# Altium PCB PCB1.PcbDoc (part 3 of 4)
Units mm, origin at the board's own origin, x right, y up, seen from the top; angles counter-clockwise.
Board outline 56.01 x 67.94 mm, 2 copper layers (Top Layer, Bottom Layer); 131 components, 109 nets, 548 pads, 93 vias.
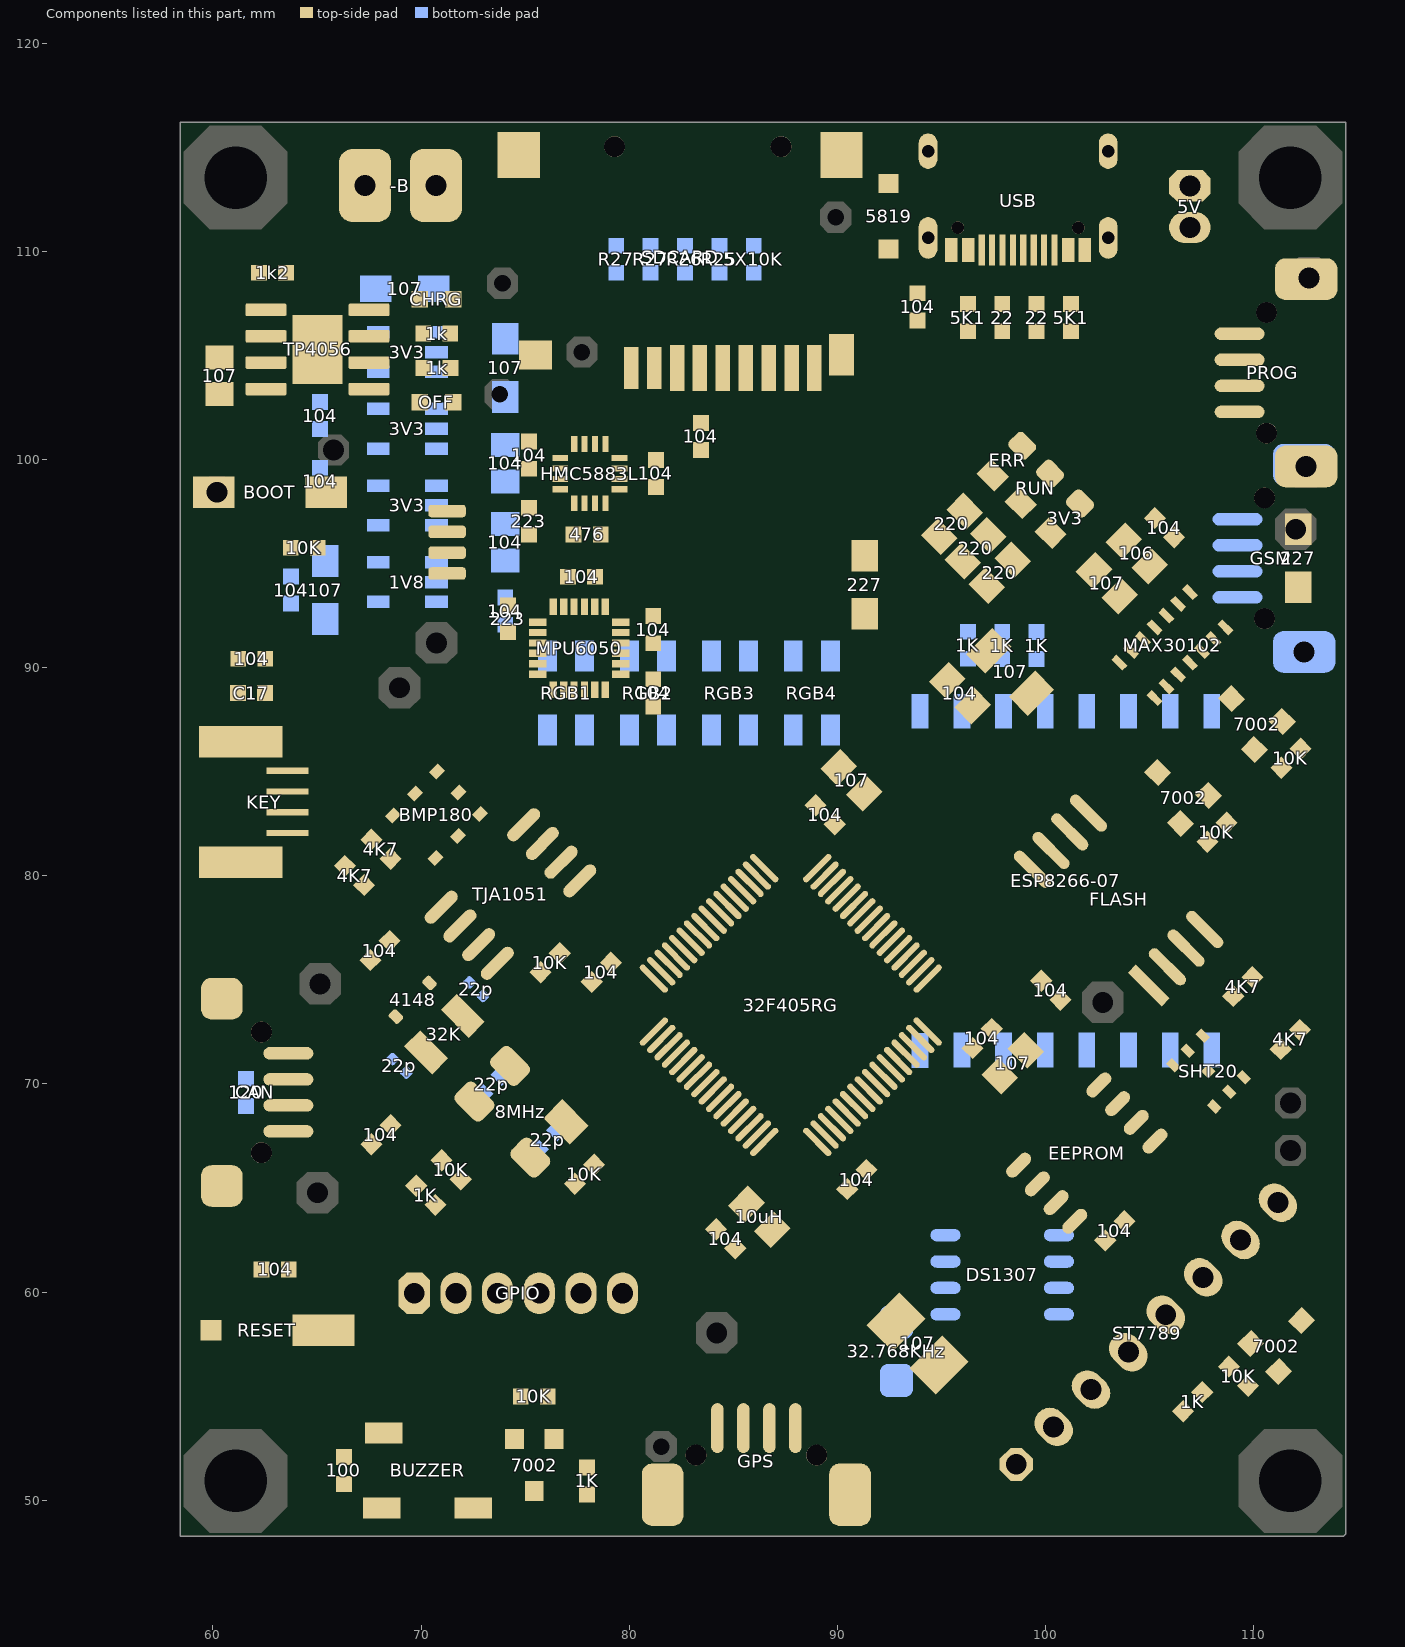
[diagram p3: the components of this part, seen from the top]

## Other copper
Top Layer:
  rectangle net VCC: 61.214,99.568 61.833,100.007
  rectangle net TXD1: 96.52,85.344 97.79,86.487
  rectangle net VCC: 110.617,74.422 111.125,74.803
  rectangle net GND: 60.325,74.803 61.595,77.724
  rectangle net VCC: 62.23,88.011 64.643,91.821
  rectangle net VCC: 61.341,91.694 63.373,92.964
  rectangle net VCC: 62.357,88.011 63.317,88.519
  rectangle net VCC: 62.611,88.011 63.317,88.646
  rectangle net GND: 60.579,86.868 61.214,90.424
  rectangle net GND: 59.436,76.835 64.516,81.28
  rectangle net GND: 61.341,79.883 64.516,82.169
  rectangle net GND: 59.436,81.28 61.468,87.122
  rectangle net VCC: 62.23,88.011 62.611,89.281
  rectangle net VCC: 62.23,90.805 62.738,91.567
  rectangle net VCC: 61.341,91.44 63.373,91.948
  rectangle net VCC: 62.611,88.011 64.643,92.964
  rectangle net GND: 59.436,86.36 60.96,93.599
  rectangle net GND: 59.436,93.472 64.135,96.52
  rectangle net +5: 69.596,107.95 70.231,110.49
  rectangle net +5: 70.104,108.585 72.517,109.347
  rectangle net +5: 69.723,109.22 72.517,110.49
  rectangle net SWCLK: 91.567,99.568 92.329,100.33
  rectangle net SWCLK: 93.472,99.822 94.234,100.457
  rectangle net CAN_H: 65.913,68.453 66.929,69.469
  rectangle net CAN_L: 64.643,69.723 65.786,70.739
  rectangle net SCL1: 68.58,84.836 69.596,85.852
  rectangle net BATT+: 58.928,110.236 60.96,110.49
  rectangle net BATT+: 58.674,109.728 60.325,110.49
  rectangle net BATT+: 59.436,109.347 59.944,110.49
  rectangle net BATT+: 58.928,109.093 59.563,110.49
  rectangle net BATT+: 58.42,101.092 59.182,110.49
  rectangle net GND: 80.264,113.919 80.772,115.951
  rectangle net GND: 78.232,113.03 80.962,114.046
  rectangle net GND: 86.233,112.903 88.646,114.046
  rectangle net GND: 80.645,112.395 86.36,115.951
  rectangle net GND: 94.996,109.601 95.504,110.617
  rectangle net GND: 93.726,109.601 94.996,111.76
  rectangle net BATT+: 67.31,88.773 69.088,103.632
  rectangle net VCC: 61.341,91.948 62.611,92.964
  rectangle net VCC: 63.373,89.281 64.643,91.44
  rectangle net BOOT: 65.532,88.011 66.929,89.281
  rectangle net VCC: 63.373,88.011 64.643,89.281
  rectangle net BOOT: 65.166,95.631 66.421,97.917
  rectangle net GND: 59.436,96.139 64.135,96.52
  rectangle net GND: 59.436,94.361 60.96,95.377
  rectangle net GND: 59.436,95.377 63.373,96.139
  rectangle net SDA1: 65.278,80.47 66.342,81.661
  rectangle net BATT+: 63.246,71.247 66.167,75.819
  rectangle net LCD_BL: 105.156,52.832 106.553,54.102
  rectangle net SCL2: 106.426,66.802 108.521,68.199
  rectangle net LCD_DC: 110.744,65.913 112.014,67.056
  rectangle net LCD_DC: 111.633,65.913 112.776,67.691
  rectangle net LCD_CSN: 110.871,68.326 112.649,69.977
  rectangle net GND: 113.411,56.388 114.427,71.12
  rectangle net GND: 110.998,55.372 111.506,55.753
  rectangle net GND: 109.474,53.975 109.982,54.356
  rectangle net GND: 109.474,53.975 110.51,54.737
  rectangle net GND: 110.236,53.975 111.76,55.499
  rectangle net GND: 111.316,53.975 114.427,56.642
  rectangle net SDA2: 108.966,87.757 110.363,88.773
  rectangle net GND: 89.916,85.344 90.932,90.805
  rectangle net BATT+: 108.966,93.345 110.49,95.885
  rectangle net SDIO_D2: 78.867,108.204 80.01,109.347
  rectangle net SDIO_D1: 87.249,108.331 88.265,109.22
  rectangle net TXD1: 96.52,86.233 97.409,86.487
  rectangle net TXD1: 97.409,85.344 97.79,86.487
  rectangle net TXD1: 96.612,85.344 97.409,85.598
  rectangle net RXD1: 95.25,83.82 96.266,85.598
  rectangle net TXD1: 96.612,85.598 97.409,86.487
  rectangle net RXD6_GSM: 99.314,85.344 101.6,86.36
  rectangle net TXD6_GSM: 102.235,85.09 103.505,86.106
  rectangle net SCL2: 104.267,82.169 105.41,83.185
  rectangle net 1V8: 111.633,84.709 114.427,85.217
  rectangle net VCC: 109.22,78.105 109.855,78.74
  rectangle net VCC: 105.791,78.613 109.855,80.01
  rectangle net VCC: 112.22,72.596 113.157,73.152
  rectangle net VCC: 110.871,73.914 111.506,74.93
  rectangle net VCC: 110.871,73.914 111.76,74.93
  rectangle net VCC: 111.506,73.406 112.268,74.803
  rectangle net VCC: 112.014,72.771 112.903,74.676
  rectangle net VCC: 110.49,74.579 112.903,75.057
  rectangle net VCC: 109.855,74.93 112.649,78.105
  rectangle net VCC: 112.395,72.517 114.427,78.105
  rectangle net VCC: 104.902,78.368 106.045,80.01
  rectangle net 1V8: 105.791,80.645 110.617,81.534
  rectangle net 1V8: 110.49,78.74 114.427,85.09
  rectangle net VCC: 84.455,55.245 85.217,57.15
  rectangle net VCC: 83.058,53.34 83.947,57.277
  rectangle net VCC: 83.82,53.467 84.582,57.277
  rectangle net VCC: 83.058,57.023 85.217,59.055
  rectangle net GND: 74.168,53.34 74.93,56.515
  rectangle net GND: 74.041,53.213 74.549,57.785
  rectangle net GND: 74.295,57.15 82.423,57.785
  rectangle net GND: 69.85,50.8 73.025,55.118
  rectangle net GND: 70.104,54.737 73.025,57.785
  rectangle net RESET: 64.008,59.182 65.532,61.468
  rectangle net RESET: 64.389,58.674 66.802,60.706
  rectangle net RESET: 63.246,57.404 64.135,61.468
  rectangle net BATT+: 69.342,66.294 70.512,67.31
  rectangle net VCC: 67.691,72.009 68.834,73.152
  rectangle net GND: 60.706,67.721 61.468,73.533
  rectangle net GND: 60.863,65.278 61.468,67.721
  rectangle net GND: 60.427,61.468 62.738,65.405
  rectangle net GND: 60.833,60.706 62.738,61.722
  rectangle net RESET: 64.389,58.928 66.802,60.706
  rectangle net RESET: 63.373,57.404 64.389,60.706
  rectangle net GND: 77.47,54.61 79.502,56.134
  rectangle net GND: 74.788,56.007 79.629,56.5
  rectangle net GND: 78.74,50.165 80.899,56.515
  rectangle net BUZZER: 77.47,51.943 78.486,53.594
  rectangle net GND: 68.707,54.737 70.485,62.865
  rectangle net BATT+: 63.5,62.484 66.675,66.04
  rectangle net GND: 103.378,96.52 103.759,96.901
  rectangle net GND: 90.678,114.3 108.585,116.205
  rectangle net GND: 79.756,115.824 90.678,116.205
  rectangle net GND: 73.66,115.824 79.756,116.205
  rectangle net GND: 88.265,113.03 91.44,116.205
  rectangle net GND: 73.025,113.03 78.359,116.205
  rectangle net BATT+: 64.643,115.57 71.12,116.205
  rectangle net BATT+: 64.643,112.141 65.405,116.205
  rectangle net BATT+: 69.342,110.998 72.39,116.205
  rectangle net GND: 66.04,110.744 68.58,114.935
  rectangle net GND: 63.881,106.426 66.04,109.347
  rectangle net GND: 64.643,109.22 66.04,109.855
  rectangle net GND: 64.897,109.601 66.04,109.982
  rectangle net GND: 65.278,109.601 66.04,110.363
  rectangle net GND: 65.659,110.363 66.04,110.617
  rectangle net GND: 65.913,110.617 66.04,110.744
  rectangle net GND: 65.659,108.077 68.58,110.998
  rectangle net GND: 64.516,48.26 92.075,48.768
  rectangle net GND: 64.262,48.26 65.405,53.975
  rectangle net GND: 59.436,57.658 60.96,78.613
  rectangle net GND: 60.96,73.279 62.865,78.613
  rectangle net GND: 78.74,48.895 92.075,50.546
  rectangle net GND: 91.567,48.26 99.822,51.816
  rectangle net GND: 87.757,50.292 99.822,51.435
  rectangle net GND: 89.789,51.943 98.933,52.705
  rectangle net GND: 89.789,50.165 91.821,54.737
  rectangle net GND: 87.63,53.213 91.821,54.737
  rectangle net GND: 91.567,51.435 98.171,52.324
  rectangle net GND: 73.025,102.87 78.486,108.966
  rectangle net GND: 87.376,110.871 91.44,113.284
  rectangle net GND: 79.883,50.546 82.423,57.15
  rectangle net GND: 74.295,56.388 82.423,57.404
  rectangle net BATT+: 108.966,93.345 109.728,102.108
  rectangle net BATT+: 109.22,95.631 113.03,96.901
  rectangle net BATT+: 109.601,96.647 111.125,97.155
  rectangle net BATT+: 111.125,96.901 113.03,97.155
  rectangle net BATT+: 112.522,87.503 114.427,89.281
  rectangle net BATT+: 113.665,86.233 114.427,87.757
  rectangle net GND: 76.581,90.043 78.613,91.948
  rectangle net VCC: 68.961,82.55 69.714,83.458
  rectangle net VCC: 102.87,99.06 107.315,102.87
  rectangle net GND: 105.029,97.409 106.426,98.425
  rectangle net GND: 103.124,96.739 105.283,98.425
  rectangle net VCC: 107.061,97.155 107.442,102.87
  rectangle net GND: 109.855,107.95 114.427,110.49
  rectangle net GND: 111.379,98.425 114.427,107.95
  rectangle net GND: 113.665,89.789 114.427,98.425
  rectangle net GND: 111.379,89.789 114.427,94.615
  rectangle net GND: 102.362,109.855 105.41,115.443
  rectangle net GND: 101.981,109.474 105.41,109.855
  rectangle net GND: 102.108,110.109 102.616,110.617
  rectangle net GND: 105.41,109.474 107.823,111.76
  rectangle net GND: 97.155,112.395 102.489,114.427
  rectangle net GND: 102.235,106.036 109.855,107.315
  rectangle net GND: 109.474,107.061 109.855,110.49
  rectangle net SWCLK: 100.33,102.997 101.473,104.013
  rectangle net SWDIO: 100.33,104.267 101.473,105.283
  rectangle net SWDIO: 96.393,103.886 97.409,105.156
  rectangle net SWCLK: 94.361,103.886 96.012,105.156
  rectangle net GND: 85.09,99.695 86.106,102.743
  rectangle net VCC: 83.058,101.854 83.82,102.997
  rectangle net GND: 80.645,99.822 81.788,102.362
  rectangle net GND: 73.914,98.679 75.565,99.568
  rectangle net VCC: 80.01,93.345 82.296,95.25
  rectangle net SDIO_D0: 84.963,92.583 85.979,93.472
  rectangle net SDIO_D0: 84.963,96.647 85.852,97.536
  rectangle net SDA1: 73.66,88.138 74.857,89.027
  rectangle net SCL1: 73.66,89.281 74.803,90.297
  rectangle net VCC: 80.645,95.885 81.915,98.933
  rectangle net GND: 73.66,92.71 74.041,99.568
  rectangle net GND: 73.66,99.568 74.803,99.949
  rectangle net GND: 73.787,98.552 75.819,99.949
  rectangle net GND: 78.359,96.012 79.375,96.901
  rectangle net GND: 69.469,90.678 71.628,93.345
  rectangle net BATT+: 67.31,88.011 69.85,89.535
  rectangle net BATT+: 67.31,89.535 68.326,103.124
  rectangle net GND: 82.804,99.314 84.074,100.457
  rectangle net VCC: 82.931,101.8 83.947,102.997
  rectangle net SDIO_D0: 84.201,83.566 86.36,85.09
  rectangle net SDIO_D0: 84.582,84.963 86.36,93.091
  rectangle net SDIO_D0: 85.725,92.329 86.36,93.726
  rectangle net BUZZER: 84.201,81.788 85.471,82.931
  rectangle net BUZZER: 84.709,81.431 85.471,81.788
  rectangle net VCC: 58.42,53.975 59.69,56.515
  rectangle net VCC: 59.563,53.975 60.96,55.245
  rectangle net VCC: 58.42,56.261 59.055,99.187
  rectangle net VCC: 64.643,99.695 66.675,101.346
  rectangle net VCC: 58.42,97.155 61.595,100.33
  rectangle net VCC: 61.595,99.695 64.77,100.33
  rectangle net VCC: 61.341,97.155 63.5,99.822
  rectangle net BATT+: 66.548,102.235 68.453,103.124
  rectangle net +5: 59.69,102.108 60.96,103.632
  rectangle net GND: 88.646,85.979 90.17,94.361
  rectangle net GND: 88.646,85.217 89.344,86.233
  rectangle net GND: 89.027,85.217 89.662,86.233
  rectangle net GND: 89.662,85.598 90.17,86.233
  rectangle net GND: 78.74,48.514 92.202,49.149
  rectangle net GND: 99.06,48.26 108.585,51.689
  rectangle net LCD_BL: 105.949,54.023 106.329,54.36
  rectangle net BL-: 111.76,58.547 112.776,63.627
  rectangle net SDIO_D2: 79.502,104.902 80.096,109.347
  rectangle net SDIO_D2: 80.01,107.823 86.36,109.347
  rectangle net SDIO_D2: 80.01,107.696 80.264,108.077
  rectangle net SDIO_D2: 78.867,104.861 79.629,108.331
  rectangle net SDIO_D0: 84.836,92.803 85.062,93.218
  rectangle net GND: 91.948,55.212 93.599,56.134
  rectangle net GND: 81.534,49.53 87.757,50.8
  rectangle net GND: 87.63,50.673 88.265,53.213
  region net RXD1: 96.266,84.074 96.266,83.82 95.504,83.058 95.441,83.121 95.313,83.121 95.25,83.185 95.25,84.074
  region net GND: 81.788,102.108 81.788,102.362 81.28,102.87 80.264,102.87 80.264,102.362 80.518,102.108
  region net BATT+: 112.522,87.757 112.522,87.376 113.665,86.233 113.919,86.233 113.919,87.503 113.665,87.757
  region net VCC: 85.217,55.499 85.217,55.245 84.455,54.483 84.455,55.499
  region net VCC: 81.534,59.944 81.534,61.595 82.105,62.166 85.217,59.055 85.217,58.547 84.963,58.293 83.185,58.293
  region net VCC: 60.96,54.61 60.96,55.245 59.944,56.261 59.944,54.61
  region net RESET: 66.802,60.452 66.802,60.96 66.294,61.468 65.405,61.468 65.405,60.452
  region net GND: 95.123,57.785 98.933,53.975 98.933,52.197 96.012,52.197 92.71,55.499 95.069,57.858
  region net GND: 88.9,60.579 90.424,60.579 90.424,57.658 88.9,59.182
  region net GND: 90.17,94.107 90.932,94.869 90.932,96.012 90.805,96.139 90.297,96.139 88.646,94.488 88.646,94.107
  region net BOOT: 66.421,95.631 66.675,95.377 66.675,94.361 66.436,94.361 65.039,95.758
  region net VCC: 67.262,78.087 67.262,79.55 69.215,81.504 69.342,81.377 69.342,80.114 70.791,78.665 68.707,76.581 68.707,76.641
  region net GND: 89.662,70.358 90.297,70.993 90.297,71.247 89.789,71.755 89.789,72.39 90.678,73.279 90.17,73.279 90.043,73.406 88.519,71.882 88.519,70.485
  region net GND: 83.693,74.803 83.185,74.295 84.201,74.295
  region net GND: 92.71,73.914 93.091,73.533 92.583,73.025 92.304,73.304
  region net GND: 89.281,70.763 89.281,70.739 89.662,70.358 88.138,68.834 88.138,68.81 87.733,69.215
  region net GND: 86.106,70.039 86.106,69.723 86.295,69.912 86.295,69.977
  region net GND: 85.725,76.835 83.82,74.93 85.725,73.025
  region net GND: 83.82,74.93 85.725,73.025 85.725,76.835 86.36,77.47 88.9,74.93 90.932,74.93 91.313,75.311 92.71,73.914 92.71,73.66 92.329,73.279 90.551,73.279 89.281,72.009 89.281,70.763 87.733,69.215 87.098,69.85 86.295,69.85 86.106,70.039 86.106,72.39 83.693,74.803
  region net LCD_DC: 111.633,67.691 111.379,67.691 110.871,67.183 110.871,66.992 111.569,66.992 111.633,67.056
  region net LCD_DC: 111.633,67.691 111.125,67.183 110.871,67.183 110.871,66.802 111.125,67.056 111.633,67.056
  region net VCC: 106.054,78.359 106.553,78.858 106.553,78.867 105.918,78.867
  region net VCC: 105.927,78.486 106.054,78.359 106.054,77.216 104.784,78.486
  region net RGB: 94.234,79.248 93.472,78.486 93.345,78.486 93.345,78.513 92.737,79.121 93.499,79.883 93.599,79.883 93.726,79.756
  region net VCC: 98.806,81.026 99.568,81.788 100.711,80.645 99.949,79.883
  region net 1V8: 110.49,85.09 109.474,86.106 110.109,86.741 111.76,85.09 111.76,84.963 110.617,84.963 110.49,84.836
  region net 1V8: 110.603,82.663 109.347,81.407 110.76,81.407
  region net 1V8: 105.791,82.55 106.426,83.185 106.807,83.185 108.458,81.534 108.458,81.28 105.791,81.28
  region net GND: 108.585,51.689 108.585,52.832 111.887,56.134 111.379,56.642 111.252,56.642 106.172,51.562
  region net GND: 87.63,60.325 90.297,62.992 90.297,60.325
  region net RESET: 65.405,61.468 66.167,60.706 65.405,60.706
  region net GND: 62.738,61.468 62.738,56.261 60.198,58.801 60.198,61.468
  region net GND: 87.63,60.325 89.154,60.325 89.154,59.055 95.631,52.578 95.25,52.197 91.313,52.197 91.313,53.848 91.059,54.102 87.63,54.102
  region net GND: 59.41,57.665 59.944,57.531 64.389,53.086 65.278,53.975 65.405,53.975 60.563,58.817
  region net VCC: 59.563,56.642 60.96,55.245 59.563,55.245
  region net VCC: 59.763,56.442 58.859,57.346 58.859,56.081
  region net BATT+: 69.85,88.011 70.739,88.011 70.739,89.408 69.469,89.408 69.469,88.138
  region net GND: 88.265,110.871 73.025,110.871 73.025,113.284 88.265,113.284
  region net GND: 97.155,112.395 97.028,112.395 95.123,114.3 95.25,114.427 97.155,114.427
  region net GND: 97.155,112.903 95.758,114.3 95.885,114.427 97.155,114.427
  region net GND: 103.251,98.425 101.6,98.425 102.997,97.028 103.251,97.028
  region net VCC: 105.029,94.234 105.41,94.615 105.96,93.84 105.687,93.246
  region net VCC: 105.029,95.504 103.251,93.726 105.029,91.948 106.172,93.091 105.029,94.234
  region net VCC: 69.342,81.915 70.104,82.677 69.596,83.185 68.834,82.423
  region net VCC: 96.393,94.107 95.631,93.345 96.774,92.202 97.536,92.964
  region net FFFFFFFFFF: 96.368,94.59 95.25,93.472 94.361,94.361 95.301,95.301
  region net GND: 88.646,85.217 88.646,83.566 88.519,83.439 88.567,83.391 88.948,83.391 90.059,84.502 89.662,84.899 89.662,85.598 89.027,85.598
  region net FFFFFFFFFF: 84.074,73.66 84.963,72.771 84.074,71.882 83.185,72.771
  region net AAAAAAAA: 90.297,72.39 90.678,72.771 91.567,72.771 91.948,72.39 90.932,71.374 90.297,72.009
  region net GND: 79.121,76.327 79.121,76.835 79.375,77.089 79.883,77.089 80.264,76.708 80.264,75.946 80.01,75.692 79.482,75.692 79.482,75.955
  region net GND: 86.106,69.723 84.455,71.374 85.344,72.263 85.344,73.152 85.852,73.152 87.757,71.247
  region net GND: 65.278,49.657 66.294,48.641 65.278,48.641
  region net GND: 64.516,49.149 63.627,48.26 64.516,48.26
  region net GND: 78.105,48.768 78.994,49.657 78.994,48.412
  region net GND: 78.74,50.546 78.74,50.8 79.375,51.435 79.375,50.546
  region net GND: 113.538,57.912 112.141,56.515 113.538,56.515
  region net LCD_BL: 106.172,55.245 105.918,55.245 105.156,54.483 105.156,54.102 106.019,54.102 106.032,54.089 106.68,54.736 106.68,54.737 106.553,54.864
  region net LCD_BL: 106.553,52.832 107.315,53.594 107.315,54.102 107.061,54.356 106.507,53.803
  region net BL-: 112.776,63.627 111.125,65.278 111.125,65.405 110.617,65.405 109.982,64.77 109.982,64.262 111.76,62.484 111.76,62.23
  region net BL-: 111.125,65.405 111.252,65.405 112.776,63.881 112.776,63.627 112.395,63.627 110.871,65.151
  region net LCD_DC: 110.871,65.913 109.728,65.913 109.728,66.04 110.871,67.183
  region net LCD_CSN: 110.871,68.58 110.871,67.945 111.506,68.58
  region net SCL2: 106.426,68.199 105.537,69.088 105.918,69.088 106.74,68.266 106.74,68.082
  region net SCL2: 108.204,68.199 107.061,68.199 106.045,69.215 105.918,69.215 105.918,69.088 106.98,68.026 107.195,68.026
  region net SCL2: 108.204,68.199 108.712,68.199 109.474,67.437 108.204,67.437
  region net SCL2: 108.204,66.802 108.839,66.802 109.474,67.437 108.204,67.437
  region net SCL2: 106.426,66.802 106.172,66.802 106.426,67.056
  region net SDA2: 106.934,72.644 107.205,72.644 107.696,72.153 107.696,72.136 107.823,72.136 108.608,72.921 108.608,72.981 109.049,72.981 109.601,73.533 109.601,74.168 109.093,74.676 108.966,74.676
  region net SDA2: 108.668,72.981 108.608,72.921 108.608,72.981
  region net SDA2: 109.106,73.038 108.182,72.114 107.753,72.114 107.753,72.57 108.485,73.303
  region net RXD1: 96.266,83.82 95.504,83.058 95.377,83.058 95.25,83.185 95.25,83.82
  region net RXD1: 95.25,83.185 95.25,82.341 95.504,82.595 95.504,83.185
  region net RXD6_GSM: 99.314,85.344 98.806,85.344 99.314,85.852
  region net RXD6_GSM: 99.314,86.36 99.06,86.36 98.425,85.725 98.425,84.963 99.314,85.852
  region net TXD6_GSM: 102.235,85.09 102.235,84.836 102.489,85.09
  region net TXD6_GSM: 103.505,85.09 102.63,85.09 102.122,84.582 101.981,84.582 102.616,85.217
  region net TXD6_GSM: 103.505,85.09 102.87,84.455 101.854,84.455 102.489,85.09
  region net BATT+: 69.088,90.17 69.342,90.17 70.104,89.408 71.374,89.408 71.501,89.281 71.501,88.011 70.739,88.011 70.612,88.138 69.088,88.138
  region net GND: 69.469,90.678 70.231,89.916 71.501,89.916 71.628,90.043 71.628,93.345 69.85,93.345
  region net BATT+: 69.342,90.17 68.961,90.551 68.961,90.31 68.671,90.021
  region net SDIO_D2: 78.867,104.861 79.756,103.972 79.756,103.505 80.137,103.505 80.096,103.546 80.096,104.902
  region net SDIO_D2: 79.756,103.505 78.867,104.394 78.867,104.861 79.629,104.861 79.969,104.521
  region net GND: 80.772,102.87 79.756,102.87 78.359,104.267 78.105,104.267 78.105,103.124 79.121,103.124 80.518,101.727 80.772,101.727
  region net GND: 80.772,102.87 81.28,102.362 80.772,102.362
  region net GND: 81.788,102.362 81.28,102.87 80.772,102.87 80.772,102.362
  region net GND: 81.788,99.822 81.788,99.568 80.772,99.568 80.772,99.822
  region net GND: 83.82,100.838 84.074,100.584 84.074,100.457 83.82,100.457
  region net GND: 83.058,100.838 82.804,100.584 82.804,100.457 83.058,100.457
  region net GND: 84.074,100.457 84.074,99.314 82.804,99.314 82.804,100.457
  region net GND: 86.106,98.425 85.598,97.917 85.09,97.917 85.09,102.108 86.106,102.108
  region net GND: 84.074,96.139 83.439,96.139 83.439,98.933 83.058,99.314 82.804,99.314 82.804,100.584 84.074,100.584
  region net SDIO_D0: 84.963,93.472 84.963,93.144 84.619,92.8 84.746,92.8 84.963,92.583 85.217,92.837
  region net SDIO_D0: 84.963,93.472 84.582,93.091 84.582,92.134
  region net SDIO_D0: 84.963,93.472 84.963,93.144 84.889,93.218 84.836,93.218
  region net SDIO_D0: 84.836,93.345 86.36,94.869 86.36,93.345
  region net VCC: 64.643,101.346 63.627,100.203 64.887,100.203
  region net VCC: 64.262,99.695 63.246,98.679 63.246,99.822
  region net GND: 90.932,64.897 90.932,64.643 93.345,62.23 93.345,61.595 90.424,58.674 90.424,64.389
  region net GND: 89.789,64.868 89.789,62.357 89.916,62.484 90.678,62.484 90.678,64.74 90.472,64.945
  region net GND: 89.789,64.868 90.424,65.503 90.424,65.532 90.551,65.532 91.186,64.897 91.186,64.643 93.726,62.103 93.726,61.341 93.091,60.706 92.456,60.706 89.789,63.373
  region net VCC: 92.964,59.944 94.361,61.341 94.361,60.198 93.472,59.309
  region net VCC: 94.996,59.436 94.996,59.69 94.488,60.198 93.599,59.309 93.472,59.309 94.171,58.611
  region net RESET: 63.246,57.404 65.405,55.245 65.786,55.245 66.802,56.261 66.802,57.531
  region net GND: 59.436,57.658 64.643,52.451 64.77,52.451 64.77,53.975 60.579,58.166 59.436,58.166
  region net VCC: 83.058,53.34 83.312,53.34 84.074,52.578 84.582,52.578 84.582,53.467
  region net VCC: 85.217,55.245 84.582,54.61 84.582,55.245
  region net VCC: 82.677,61.595 82.105,62.166 81.534,61.595
  region net VCC: 81.534,60.579 81.534,59.944 83.185,58.293 83.439,58.547 83.439,58.928